# Altium PCB Room02.PcbDoc (part 1 of 2)
Units mil, origin at the board's own origin, x right, y up, seen from the top; angles counter-clockwise.
Board outline 3779.53 x 3149.61 mil, 2 copper layers (Top Layer, Bottom Layer); 97 components, 89 nets, 403 pads, 110 vias.
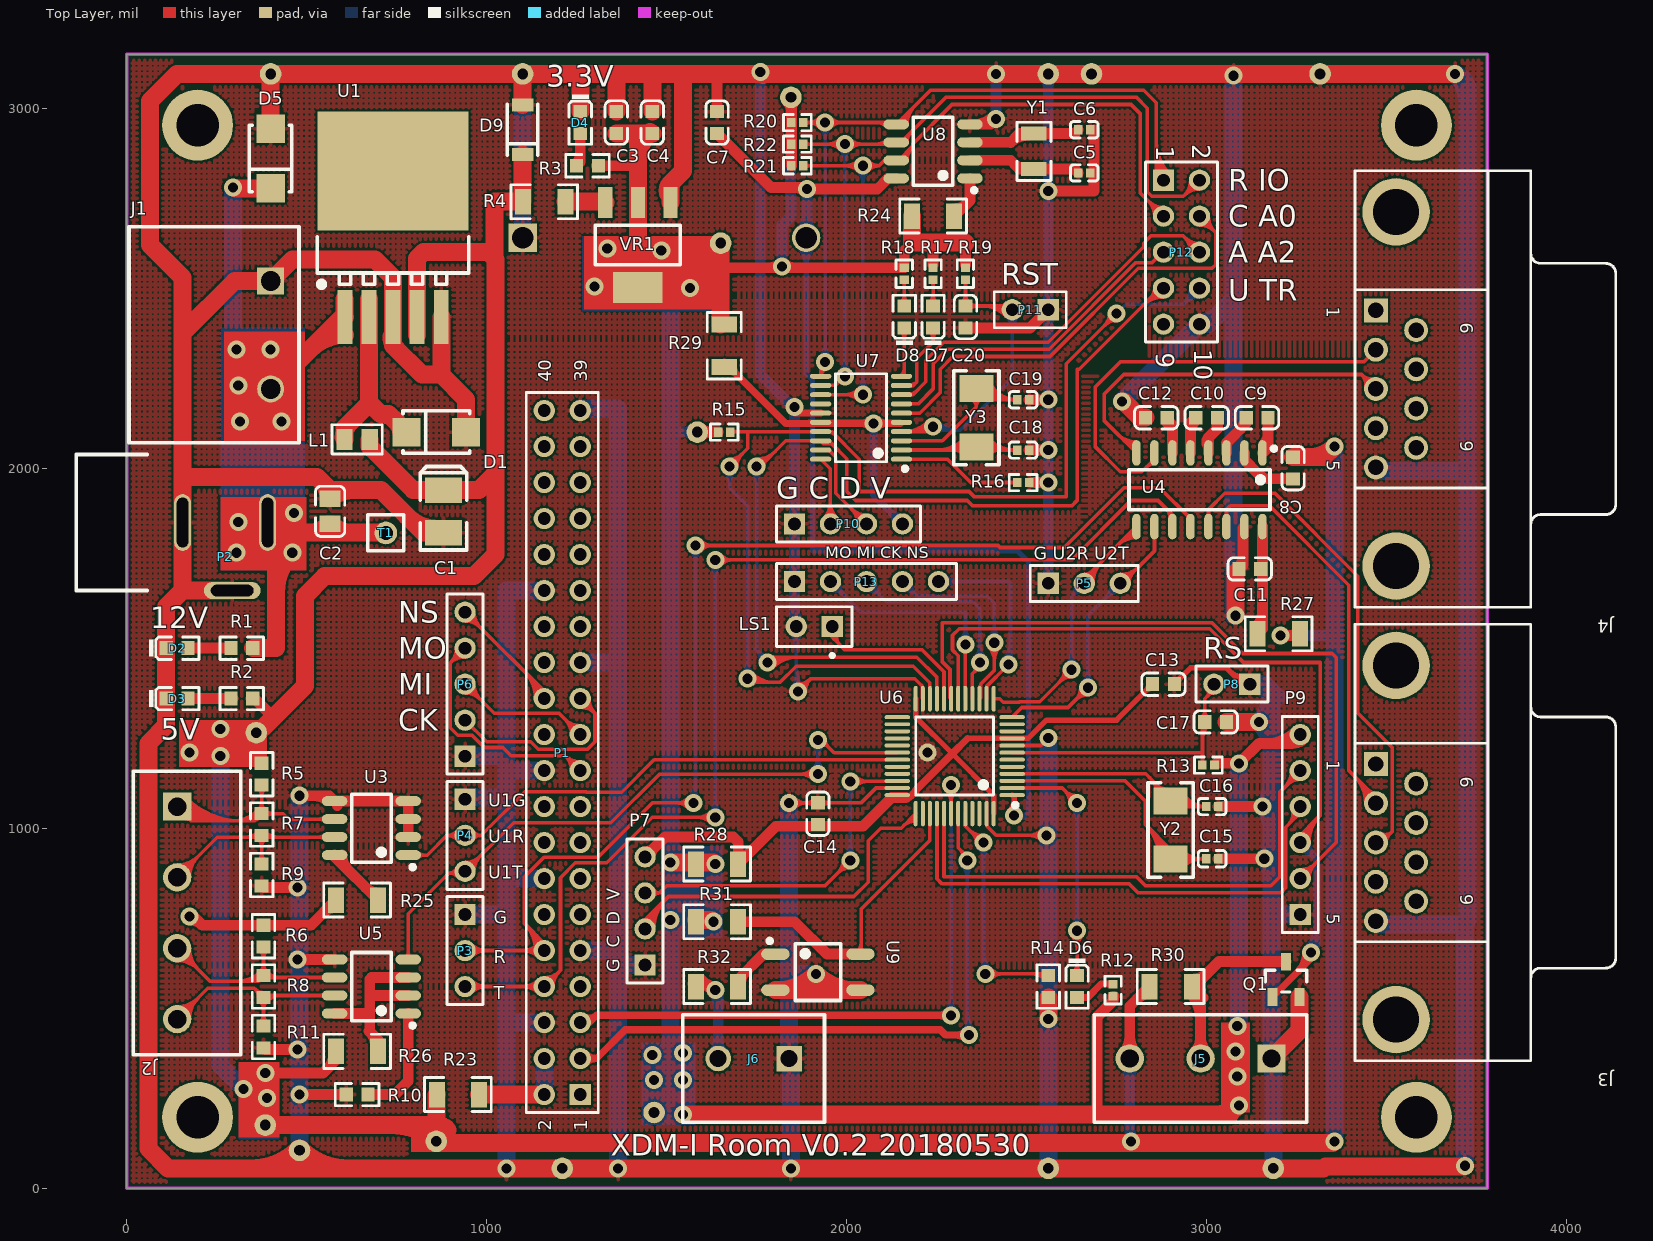
[diagram p0: Top Layer view]
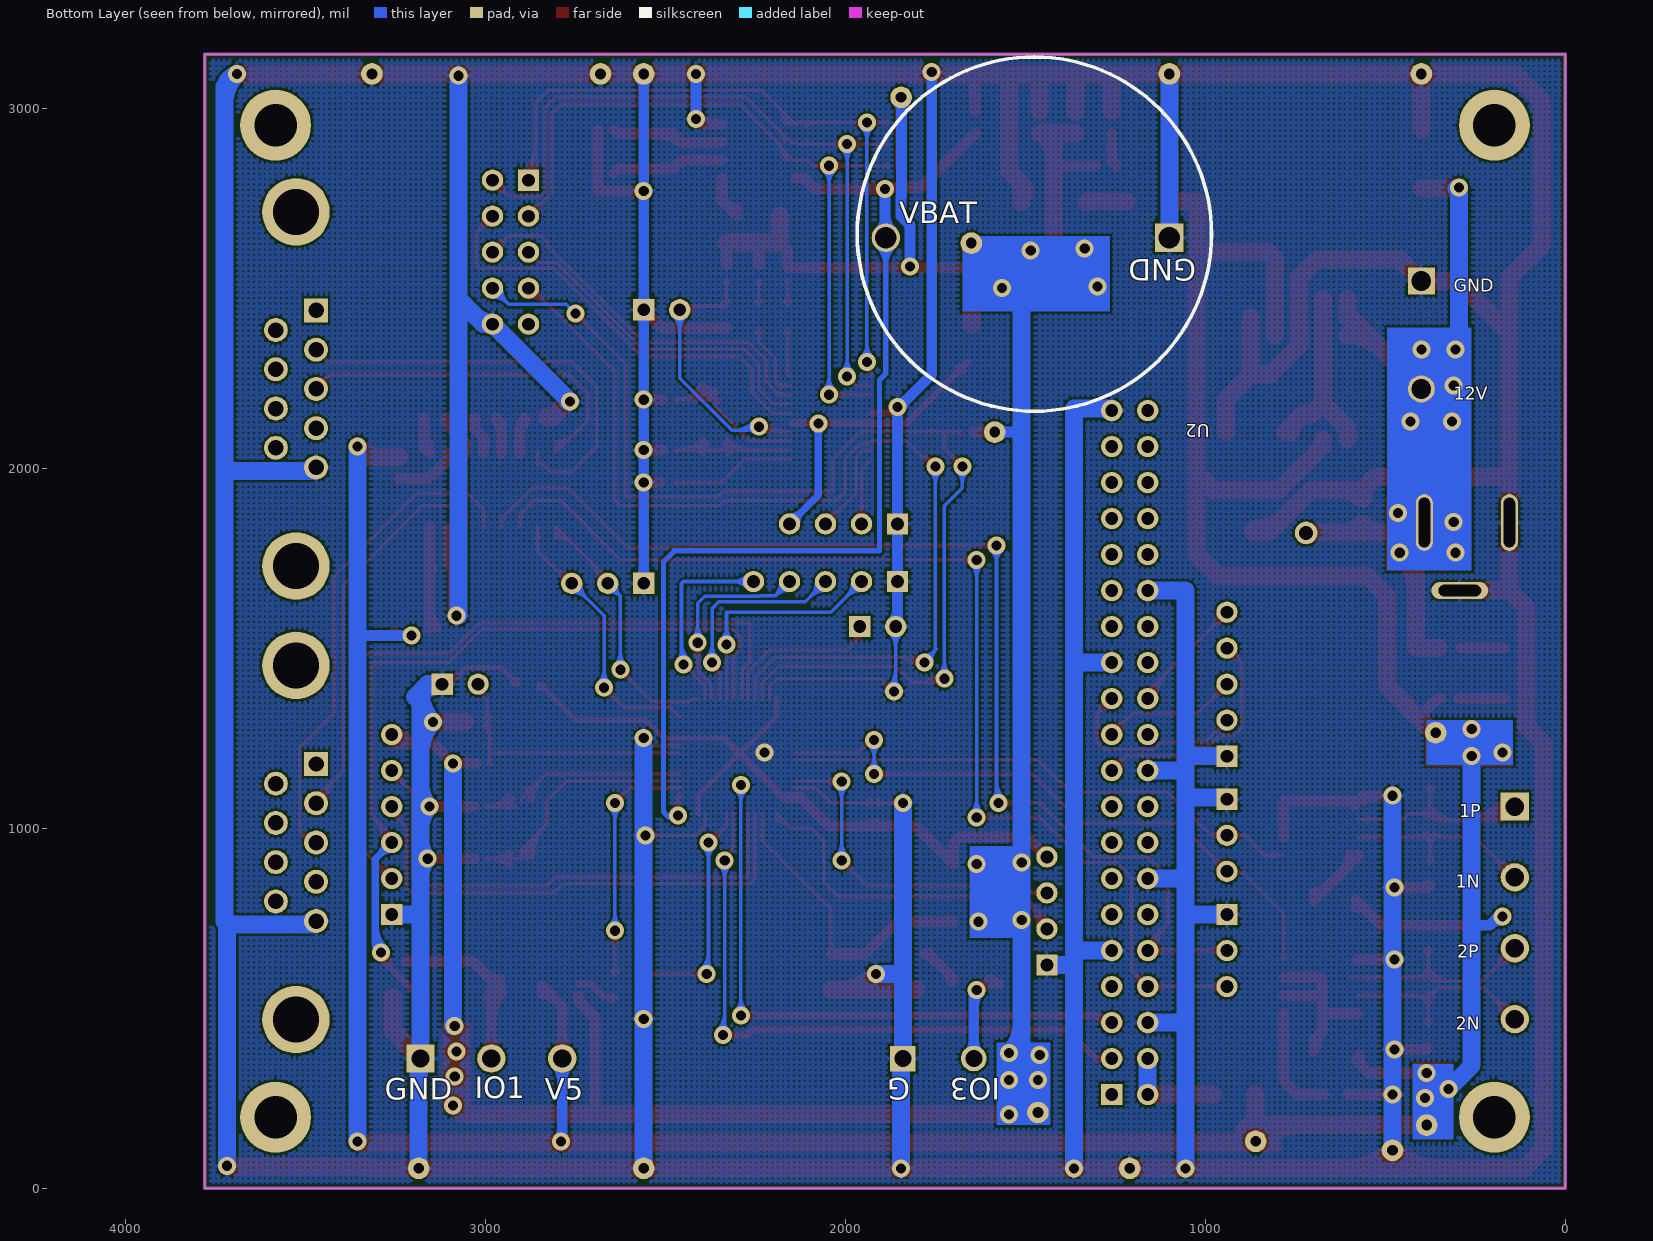
[diagram p1: Bottom Layer view, seen from below]
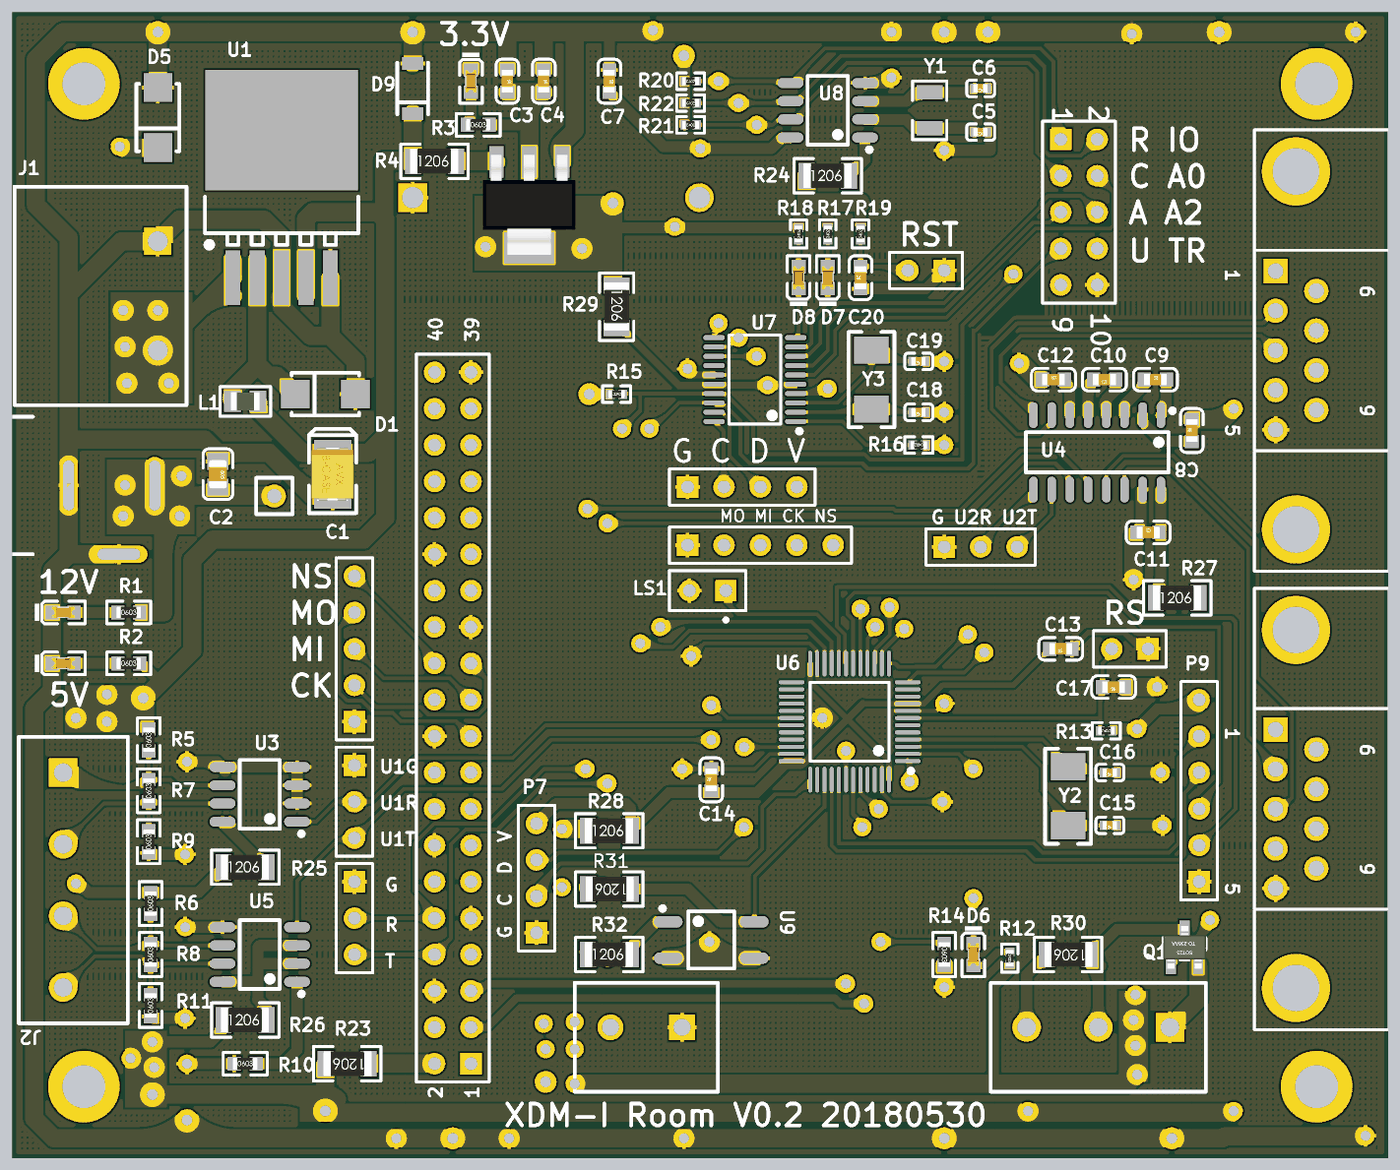
[diagram p3: 3D render of the assembled board from above, using the file's embedded part models]

## Layer stack, top to bottom
Top Layer: signal copper 1.4
Dielectric: dielectric 12.6, FR-4, Dk 4.8
Bottom Layer: signal copper 1.4

## Board outline
0,0 0,3149.61 3779.53,3149.61 3779.53,0

## Design rules (kind name [scope] priority, off if disabled: settings)
Clearance [All] p1: gap=6
DiffPairsRouting [All] p1: maxlimit=10 minlimit=10 mostfreqgap=10 maxuncoupledlength=500
HoleSize [All] p1: absolutevalues=TRUE maxlimit=236.22 minlimit=11.81 maxpercent=80.000 minpercent=20.000
MinimumSolderMaskSliver [All] p1: minsoldermaskwidth=6
PolygonConnect [All] p1: connectstyle=Relief reliefconductorwidth=10 reliefentries=4 polygonreliefangle="90 Angle"
RoutingVias [All] p1: holewidth=28 width=50 viastyle="Through Hole" minholewidth=28 minwidth=50 maxholewidth=28 maxwidth=50
SilkToSilkClearance [All] p1: silktosilkclearance=6
SilkscreenOverComponentPads [All] p1: minsilkscreentomaskgap=3
SolderMaskExpansion [All] p1: expansion=4
Width Width_V3.3 [InNet('V3.3')] p1: maxlimit=50 minlimit=10 preferedwidth=10
Width Width_V5 [InNet('V5')] p2: maxlimit=50 minlimit=10 preferedwidth=50
Width Width_GND [InNet('GND')] p3: maxlimit=50 minlimit=10 preferedwidth=50
Width [All] p4: maxlimit=50 minlimit=10 preferedwidth=10
23 further rules are at their usual default settings.

## Classes and differential pairs
component class raspi: P1 P3 P6 R23
component class other: C5 C6 J5 J6 LS1 Q1 R20 R21 R22 R24 R30 R31 R32 U8 U9 Y1
component class Power: C1 C2 C3 C4 C7 D1 D2 D3 D4 D5 D9 J1 L1 P2 R1 R2 R3 R4 T1 U1 U2 VR1
component class commu: C8 C9 C10 C11 C12 J2 J3 J4 P4 R5 R6 R7 R8 R9 R10 R11 R25 R26 R27 U3 U4 U5
component class mcu: C13 C14 C15 C16 C17 C18 C19 C20 D6 D7 D8 P5 P7 P8 P9 P10 P11 P12 P13 R12 R13 R14 R15 R16 R17 R18 R19 R28 R29 U6 U7 Y2 Y3
differential pair CON1: +CON1_P -CON1_N
differential pair CON2: +CON2_P -CON2_N

## Components (designator, comment, footprint, x,y, rotation, side; value= is the part's Value field where it differs from the comment)
C1 "100uF (107) ±10% 6.3V" CASE-B_3528 880,1880 r90 top
C2 "22uF (226) 20% 25V" 0805_C 565,1880 r270 top
C3 "10uF (106) 10% 10V" 0603_C 1360,2960 r270 top
C4 "100nF (104) 10% 50V" 0603_C 1460,2960 r270 top
C5 "12pF (120) 5% 50V" 0402_C 2660,2820 r180 top
C6 "12pF (120) 5% 50V" 0402_C 2660,2940 r180 top
C7 "10uF (106) 10% 10V" 0603_C 1640,2960 r270 top
C8 "1uF (105) 10% 50V" 0603_C 3240,2000 r90 top
C9 "1uF (105) 10% 50V" 0603_C 3140,2140 r0 top
C10 "1uF (105) 10% 50V" 0603_C 3000,2140 r180 top
C11 "1uF (105) 10% 50V" 0603_C 3120,1720 r0 top
C12 "1uF (105) 10% 50V" 0603_C 2860,2140 r0 top
C13 "100nF (104) 10% 50V" 0603_C 2880,1400 r180 top
C14 "10uF (106) 10% 10V" 0603_C 1920,1040 r90 top
C15 "20pF (200) 5% 50V" 0402_C 3015,915 r180 top
C16 "20pF (200) 5% 50V" 0402_C 3015,1060 r180 top
C17 "10uF (106) 10% 10V" 0603_C 3025,1295 r180 top
C18 "20pF (200) 5% 50V" 0402_C 2490,2050 r180 top
C19 "20pF (200) 5% 50V" 0402_C 2490,2190 r180 top
C20 "10uF (106) 10% 10V" 0603_C 2330,2420 r90 top
D1 "SS54" SMA(DO-214AC)_S1 860,2100 r0 top
D2 "绿灯 0603" 0603_LED_S1 140,1500 r0 top
D3 "蓝灯 0603" 0603_LED_S1 140,1360 r0 top
D4 "白灯 0603" 0603_LED_S1 1260,2960 r270 top
D5 "SS54" SMA(DO-214AC)_S1 400,2860 r90 top
D6 "蓝灯 0603" 0603_LED_S1 2640,560 r270 top
D7 "蓝灯 0603" 0603_LED_S1 2240,2420 r90 top
D8 "红灯 0603" 0603_LED_S1 2160,2420 r90 top
D9 "ZMM5V6" LL-34 1100,2940 r90 top
J1 "XK7.62-2P" XK7.62-2P 400,2520 r0 top
J2 "KF301-4P" KF301-4P 140,1060 r270 top
J3 "D Connector 9" DSUB1.385-2H9 3900,960 r270 top
J4 "D Connector 9" DSUB1.385-2H9 3900,2220 r270 top
J5 "KF301-3P" KF301-3P 3180,360 r180 top
J6 "KF301-2P" KF301-2P 1840,360 r180 top
L1 "100uH ±10%" 0805_L 640,2080 r0 top
LS1 "Bell" PIN2 1960,1560 r180 top
P1 "Header 20X2" HDR2X20 1260,260 r90 top
P2 "Header 3" DC005 -140,1660 r0 top
P3 "Header 3" HDR1X3 940,760 r270 top
P4 "Header 3" HDR1X3 940,1080 r270 top
P5 "Header 3" HDR1X3 2560,1680 r0 top
P6 "Header 5" HDR1X5 940,1200 r90 top
P7 "Header 4" HDR1X4 1440,620 r90 top
P8 "Header 2" HDR1X2 3120,1400 r180 top
P9 "Header 6" HDR1X6 3260,760 r90 top
P10 "Header 4" HDR1X4 1855,1845 r0 top
P11 "Header 2" HDR1X2 2560,2440 r180 top
P12 "Header 5X2" HDR2X5 2880,2800 r270 top
P13 "Header 5" HDR1X5 1855,1685 r0 top
Q1 "2N7002 7002" SOT-23(SOT-23-3) 3220,580 r270 top
R1 "20KΩ (2002) ±1%" 0603_R 320,1500 r0 top
R2 "10KΩ (1002) ±1%" 0603_R 320,1360 r0 top
R3 "10KΩ (1002) ±1%" 0603_R 1280,2840 r0 top
R4 "0Ω (0R0) ±1%" 1206_R 1160,2740 r0 top
R5 "10KΩ (1002) ±1%" 0603_R 375,1150 r90 top
R6 "10KΩ (1002) ±1%" 0603_R 380,700 r90 top
R7 "120Ω (1200) ±1%" 0603_R 375,1010 r90 top
R8 "120Ω (1200) ±1%" 0603_R 380,560 r90 top
R9 "10KΩ (1002) ±1%" 0603_R 375,870 r90 top
R10 "10KΩ (1002) ±1%" 0603_R 640,260 r0 top
R11 "10KΩ (1002) ±1%" 0603_R 380,420 r90 top
R12 "10KΩ (1002) ±1%" 0402_R 2740,550 r270 top
R13 "10KΩ (1002) ±1%" 0402_R 3005,1175 r0 top
R14 "100KΩ (1003) ±1%" 0603_R 2560,560 r270 top
R15 "100KΩ (1003) ±1%" 0402_R 1660,2100 r180 top
R16 "100KΩ (1003) ±1%" 0402_R 2490,1960 r180 top
R17 "10KΩ (1002) ±1%" 0402_R 2240,2540 r90 top
R18 "10KΩ (1002) ±1%" 0402_R 2160,2540 r90 top
R19 "10KΩ (1002) ±1%" 0402_R 2330,2540 r90 top
R20 "10KΩ (1002) ±1%" 0402_R 1863.27,2960 r0 top
R21 "10KΩ (1002) ±1%" 0402_R 1863.27,2840 r0 top
R22 "10KΩ (1002) ±1%" 0402_R 1863.27,2900 r0 top
R23 "0Ω (0R0) ±1%" 1206_R 920,260 r180 top
R24 "0Ω (0R0) ±1%" 1206_R 2240,2700 r0 top
R25 "0Ω (0R0) ±1%" 1206_R 640,800 r0 top
R26 "0Ω (0R0) ±1%" 1206_R 640,380 r0 top
R27 "0Ω (0R0) ±1%" 1206_R 3200,1540 r0 top
R28 "0Ω (0R0) ±1%" 1206_R 1640,900 r0 top
R29 "0Ω (0R0) ±1%" 1206_R 1660,2340 r270 top
R30 "10KΩ (1002) ±1%" 1206_R 2900,560 r180 top
R31 "10KΩ (1002) ±1%" 1206_R 1640,740 r180 top
R32 "1KΩ (1001) ±1%" 1206_R 1640,560 r0 top
T1 "TP1" TP1 720,1820 r0 top
U1 "LM2576SX-5.0" TO-263-5 740,2420 r270 top
U2 "BAT" BAT2032 1100,2640 r0 bottom
U3 "SN75176BDR" SOIC-8_150mil 680,1000 r90 top
U4 "MAX232ESE" SOIC-16_150mil 2980,1940 r180 top
U5 "SN75176BDR" SOIC-8_150mil 680,560 r90 top
U6 "STM32F103C8T6" LQFP-48_7x7x05P 2300,1200 r90 top
U7 "STM32F030F4P6" TSSOP-20 2040,2140 r90 top
U8 "DS1302Z+T&R" SOIC-8_150mil 2240,2880 r90 top
U9 "EL357N(B)(TA)-G" SOP-4_P2.54 1920,600 r0 top
VR1 "AMS1117-3.3" SOT-223 1420,2620 r90 top
Y1 "32.768KHz ±20ppm 12.5pF" "SMD-3215_2P FC - 135" 2520,2880 r90 top
Y2 "8MHz ±20ppm 20pF" SMD-5032_2P 2900,995 r90 top
Y3 "8MHz ±20ppm 20pF" SMD-5032_2P 2360,2140 r90 top

## Footprints (in the part's own frame and the unit in brackets; to place one, negate y for a bottom-side part, rotate by r counter-clockwise, add the part's x,y. Pads: shape width x height; smd on the part's side, far side on the other; paste and mask are expansions set on the pad)
0402_C [mm]
  rect 0.6x0.65 smd mask+0.051: 1(-0.425,0) 2(0.425,0)
  silkscreen extent -0.98,-0.58 0.98,0.58, body extent -0.48,-0.3 0.52,0.3, height 0.2
0402_R [mm]
  rect 0.6x0.65 smd mask+0.051: 1(-0.425,0) 2(0.425,0)
  silkscreen extent -0.98,-0.58 0.98,0.58, body extent -0.57,-0.27 0.58,0.28, height 0.41
0603_C [mm]
  rect 0.93x0.98 smd: 1(-0.77,0) 2(0.77,0)
  silkscreen extent -1.54,-0.79 1.54,0.79, body extent -0.8,-0.4 0.8,0.4, height 0.3
0603_LED_S1 [mm]
  rect 0.93x0.98 smd: A(0.77,0) K(-0.77,0)
  silkscreen extent -1.98,-0.79 1.54,0.79, body extent -0.8,-0.4 0.8,0.4, height 0.6
0603_R [mm]
  rect 0.93x0.98 smd: 1(-0.77,0) 2(0.77,0)
  silkscreen extent -1.53,-0.79 1.54,0.79, body extent -0.85,-0.4 0.85,0.4, height 0.56
0805_C [mm]
  rect 1.16x1.47 smd: 1(-0.89,0) 2(0.89,0)
  silkscreen extent -1.77,-1.04 1.77,1.04, body extent -1,-0.63 1,0.63, height 0.77
0805_L [mm]
  rect 1.16x1.47 smd: 1(-0.89,0) 2(0.89,0)
  silkscreen extent -1.77,-1.03 1.77,1.03, body extent -1.02,-0.64 1.03,0.64, height 0.6
1206_R [mm]
  rect 1.13x1.8 smd: 1(-1.49,0) 2(1.49,0)
  silkscreen extent -2.35,-1.2 2.35,1.2, body extent -1.7,-0.86 1.65,0.87, height 0.85
BAT2032 [mm]
  rect 2x2 hole 1.5: 1(0,0)
  round 2 hole 1.5: 2(20,0)
  silkscreen extent -2.97,-12.75 22.02,12.24
CASE-B_3528 [mm]
  rect 1.8x2.6 smd: 1(1.5,0) 2(-1.5,0)
  silkscreen extent -2.73,-1.65 3.16,1.65, body extent -1.85,-1.47 1.85,1.46, height 2.03
DC005 [mm]
  oval 1.2x4 hole 0.8 slot 3.5 at 90 deg: 1(13.5,4.8) 3(7.5,4.8)
  oval 4x1.2 hole 0.8 slot 3 at 0 deg: 2(11,0)
  silkscreen extent 0,0 5,9.6
DSUB1.385-2H9 [mm] "Connector; D Subminiature; 9 Position; Right Angle; Pitch 1.385 mm"
  rect 1.69x1.69 hole 1.09: 1(-5.54,-10.92)
  round 1.69 hole 1.09: 2(-2.77,-10.92) 3(0,-10.92) 4(2.77,-10.92) 5(5.54,-10.92) 6(-4.155,-8.08) 7(-1.385,-8.08) 8(1.385,-8.08) 9(4.155,-8.08)
  round 4.76 hole 3.26: 10(-12.495,-9.5) 11(12.495,-9.5)
  silkscreen extent -15.4,-12.4 15.4,6
HDR1X2 [mm] "Connector; Header; 2 Position"
  rect 1.5x1.5 hole 0.9: 1(0,0)
  round 1.5 hole 0.9: 2(2.54,0)
  silkscreen extent -1.27,-1.27 3.81,1.27
HDR1X3 [mm] "Connector; Header; 3 Position"
  rect 1.5x1.5 hole 0.9: 1(0,0)
  round 1.5 hole 0.9: 2(2.54,0) 3(5.08,0)
  silkscreen extent -1.27,-1.27 6.35,1.27
HDR1X4 [mm] "Connector; Header; 4 Position"
  rect 1.5x1.5 hole 0.9: 1(0,0)
  round 1.5 hole 0.9: 2(2.54,0) 3(5.08,0) 4(7.62,0)
  silkscreen extent -1.27,-1.27 8.89,1.27
HDR1X5 [mm] "Connector; Header; 5 Position"
  rect 1.5x1.5 hole 0.9: 1(0,0)
  round 1.5 hole 0.9: 2(2.54,0) 3(5.08,0) 4(7.62,0) 5(10.16,0)
  silkscreen extent -1.27,-1.27 11.43,1.27
HDR1X6 [mm] "Connector; Header; 6 Position"
  rect 1.5x1.5 hole 0.9: 1(0,0)
  round 1.5 hole 0.9: 2(2.54,0) 3(5.08,0) 4(7.62,0) 5(10.16,0) 6(12.7,0)
  silkscreen extent -1.27,-1.27 13.97,1.27
HDR2X5 [mm] "Connector; Header; 5x2 Position"
  rect 1.5x1.5 hole 0.9: 1(0,0)
  round 1.5 hole 0.9: 2(0,2.54) 3(2.54,0) 4(2.54,2.54) 5(5.08,0) 6(5.08,2.54) 7(7.62,0) 8(7.62,2.54) 9(10.16,0) 10(10.16,2.54)
  silkscreen extent -1.27,-1.27 11.43,3.81
HDR2X20 [mm] "Connector; Header; 20x2 Position"
  rect 1.5x1.5 hole 0.9: 1(0,0)
  round 1.5 hole 0.9: 2(0,2.54) 3(2.54,0) 4(2.54,2.54) 5(5.08,0) 6(5.08,2.54) 7(7.62,0) 8(7.62,2.54) 9(10.16,0) 10(10.16,2.54) 11(12.7,0) 12(12.7,2.54) 13(15.24,0) 14(15.24,2.54) 15(17.78,0) 16(17.78,2.54) 17(20.32,0) 18(20.32,2.54) 19(22.86,0) 20(22.86,2.54) 21(25.4,0) 22(25.4,2.54) 23(27.94,0) 24(27.94,2.54) 25(30.48,0) 26(30.48,2.54) 27(33.02,0) 28(33.02,2.54) 29(35.56,0) 30(35.56,2.54) 31(38.1,0) 32(38.1,2.54) 33(40.64,0) 34(40.64,2.54) 35(43.18,0) 36(43.18,2.54) 37(45.72,0) 38(45.72,2.54) 39(48.26,0) 40(48.26,2.54)
  silkscreen extent -1.27,-1.27 49.53,3.81
KF301-2P [mm]
  rect 1.8x1.8 hole 1.2: 1(0,0)
  round 1.8 hole 1.2: 2(5,0)
  silkscreen extent -2.5,-3.1 7.5,4.5
KF301-3P [mm]
  rect 2x2 hole 1.3: 1(0,0)
  round 2 hole 1.3: 2(5,0) 3(10,0)
  silkscreen extent -2.5,-3.1 12.5,4.5
KF301-4P [mm]
  rect 2x2 hole 1.3: 1(0,0)
  round 2 hole 1.3: 2(5,0) 3(10,0) 4(15,0)
  silkscreen extent -2.5,-3.1 17.5,4.5
LL-34 [mm]
  rect 0.9x1.5 smd: 1(1.75,0) 2(-1.75,0)
  silkscreen extent -1.8,-1.07 1.8,1.07
LQFP-48_7x7x05P [mm]
  oval 0.28x1.8 smd mask+0.051: 1(-2.75,-4.05) 2(-2.25,-4.05) 3(-1.75,-4.05) 4(-1.25,-4.05) 5(-0.75,-4.05) 6(-0.25,-4.05) 7(0.25,-4.05) 8(0.75,-4.05) 9(1.25,-4.05) 10(1.75,-4.05) 11(2.25,-4.05) 12(2.75,-4.05) 25(2.75,4.05) 26(2.25,4.05) 27(1.75,4.05) 28(1.25,4.05) 29(0.75,4.05) 30(0.25,4.05) 31(-0.25,4.05) 32(-0.75,4.05) 33(-1.25,4.05) 34(-1.75,4.05) 35(-2.25,4.05) 36(-2.75,4.05)
  oval 1.8x0.28 smd mask+0.051: 13(4.05,-2.75) 14(4.05,-2.25) 15(4.05,-1.75) 16(4.05,-1.25) 17(4.05,-0.75) 18(4.05,-0.25) 19(4.05,0.25) 20(4.05,0.75) 21(4.05,1.25) 22(4.05,1.75) 23(4.05,2.25) 24(4.05,2.75) 37(-4.05,2.75) 38(-4.05,2.25) 39(-4.05,1.75) 40(-4.05,1.25) 41(-4.05,0.75) 42(-4.05,0.25) 43(-4.05,-0.25) 44(-4.05,-0.75) 45(-4.05,-1.25) 46(-4.05,-1.75) 47(-4.05,-2.25) 48(-4.05,-2.75)
  silkscreen extent -3.6,-4.43 2.75,2.75
PIN2 [mm] "Photosensitive Diode; 2 Leads"
  rect 1.5x1.5 hole 0.9: 1(0,0)
  round 1.5 hole 0.9: 2(2.54,0)
  silkscreen extent -1.4,-1.4 3.94,2.17
SMA(DO-214AC)_S1 [mm]
  rect 2x2 smd: 1(2.1,0) 2(-2.1,0)
  silkscreen extent -2.35,-1.5 2.35,1.5
"SMD-3215_2P FC - 135" [mm]
  rect 1x1.8 smd: 1(-1.25,0) 2(1.25,0)
  silkscreen extent -2.05,-1.2 2.05,1.2
SMD-5032_2P [mm]
  rect 1.9x2.4 smd: 1(-2.05,0) 2(2.05,0)
  silkscreen extent -3.33,-1.6 3.33,1.6
SOIC-8_150mil [mm]
  oval 0.7x1.8 smd: 1(-1.905,-2.6) 2(-0.635,-2.6) 3(0.635,-2.6) 4(1.905,-2.6) 5(1.905,2.6) 6(0.635,2.6) 7(-0.635,2.6) 8(-1.905,2.6)
  silkscreen extent -2.9,-3.05 2.4,1.4
SOIC-16_150mil [mm]
  oval 0.6x1.8 smd: 1(-4.445,-2.6) 2(-3.175,-2.6) 3(-1.905,-2.6) 4(-0.635,-2.6) 5(0.635,-2.6) 6(1.905,-2.6) 7(3.175,-2.6) 8(4.445,-2.6) 9(4.445,2.6) 10(3.175,2.6) 11(1.905,2.6) 12(0.635,2.6) 13(-0.635,2.6) 14(-1.905,2.6) 15(-3.175,2.6) 16(-4.445,2.6)
  silkscreen extent -5.4,-3.05 4.97,1.4
SOP-4_P2.54 [mm]
  oval 2x0.8 smd: 1(-3,1.27) 2(-3,-1.27) 3(3,-1.27) 4(3,1.27)
  silkscreen extent -3.55,-2 1.6,2.35
SOT-23(SOT-23-3) [mm]
  rect 1.25x0.7 smd: 1(1.25,-0.95) 2(1.25,0.95) 3(-1.25,0)
  silkscreen extent -0.65,-1.46 0.9,1.46, body extent -1.5,-1.5 1.5,1.5, height 1.3
SOT-223 [mm]
  rect 2.2x1 smd: 1(3,-2.3) 2(3,0) 3(3,2.3)
  rect 2.2x3.5 smd: 2(-3,0)
  silkscreen extent -1.4,-3 1.4,3, body extent -3.49,-3.24 3.49,3.24, height 1.64
TO-263-5 [mm]
  rect 8.4x10.65 smd: 0(-10.3,0)
  rect 3.8x1.05 smd: 1(0,-3.4) 2(0,-1.7) 3(0,0) 4(0,1.7) 5(0,3.4)
  silkscreen extent -5.65,-5.35 -2.1,5.35
TP1 [mm] "Test Point 1"
  round 1.6 hole 1: 1(0,0)
  silkscreen extent -1.27,-1.27 1.27,1.27
TSSOP-20 [mm]
  oval 0.35x1.5 smd: 1(-2.925,-2.85) 2(-2.275,-2.85) 3(-1.625,-2.85) 4(-0.975,-2.85) 5(-0.325,-2.85) 6(0.325,-2.85) 7(0.975,-2.85) 8(1.625,-2.85) 9(2.275,-2.85) 10(2.925,-2.85) 11(2.925,2.85) 12(2.275,2.85) 13(1.625,2.85) 14(0.975,2.85) 15(0.325,2.85) 16(-0.325,2.85) 17(-0.975,2.85) 18(-1.625,2.85) 19(-2.275,2.85) 20(-2.925,2.85)
  silkscreen extent -3.75,-3.25 3.1,1.8
XK7.62-2P [mm]
  rect 1.9x1.9 hole 1.4: 1(0,0)
  round 1.9 hole 1.4: 2(0,-7.62)
  silkscreen extent -10,-11.43 2,3.81
